# Altium PCB 5607-2.PcbDoc (part 4 of 6)
Units mm, origin at the board's own origin, x right, y up, seen from the top; angles counter-clockwise.
Board outline 240 x 160 mm, 2 copper layers (TopLayer, BottomLayer), stack 1.6 mm thick; 452 components, 319 nets, 1383 pads, 217 vias.
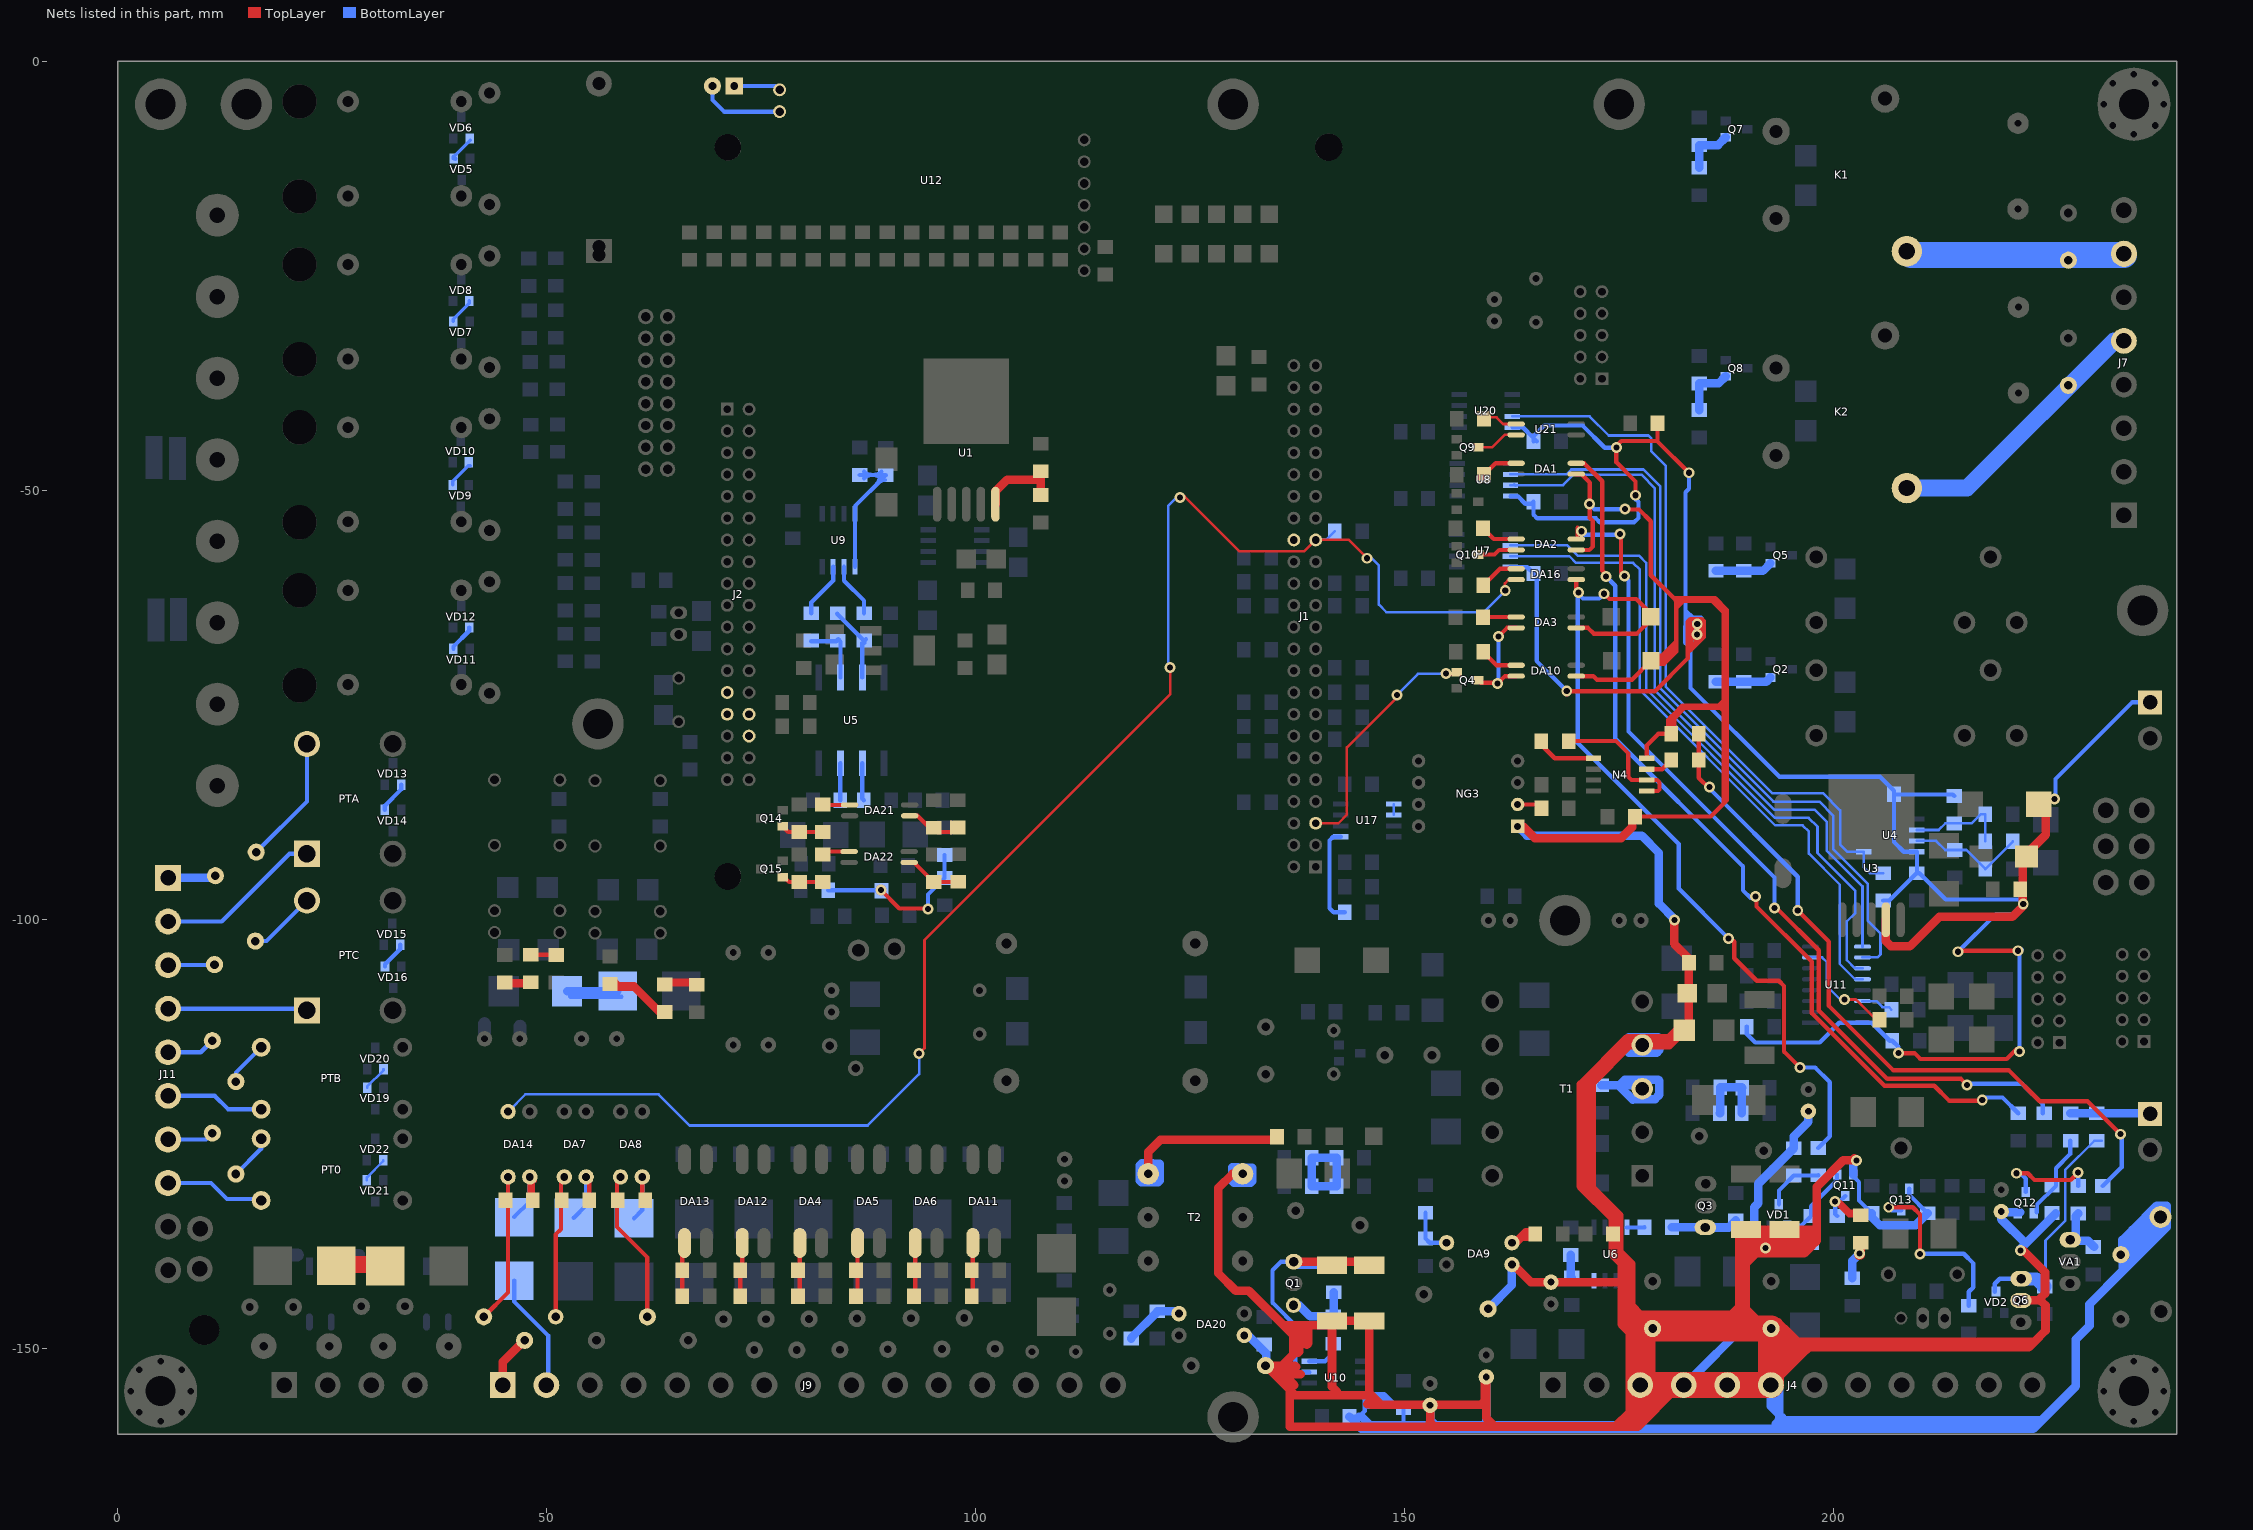
[diagram p4: the nets of this part, all layers, seen from the top]

## Via types
v1: diameter 1.27, hole 0.711, TopLayer to BottomLayer, 198 vias
v2: diameter 1, hole 0.5, TopLayer to BottomLayer, 11 vias
v3: diameter 1.2, hole 0.8, TopLayer to BottomLayer, 7 vias
v4: diameter 1.5, hole 0.8, TopLayer to BottomLayer, 1 vias

## Nets (pads, with @x,y where several pads share a name; then routed paths per layer and width w, separated by ;. In a path a pad name is that pad's centre, name@x,y a point inside that pad or via, vN(x,y) a via of type N, cw(c..) or ccw(c..) an arc to the next point about the centre after c; other vN are vias at no path point) (continued)
NetDA1_1: DA1.1 R1.1 | length 4.3
  TopLayer w0.5: R1.1@159.258,-48.184 160.604,-46.838 DA1.1@162.997,-46.838
NetDA1_4: DA1.4 R2.2 | length 105.8
  TopLayer w0.5: DA1.4@169.997,-46.838 170.917,-46.838 173.025,-48.946 173.025,-59.334 173.457,-59.766 v1(173.457,-60.02) ; v1(190.906,-97.358) 190.856,-97.358 191.008,-97.511 191.008,-98.501 197.46,-104.953 197.46,-110.947 205.918,-119.405 211.734,-119.405 213.462,-121.133 217.272,-121.133 217.322,-121.082 v1(217.322,-121.056)
  BottomLayer w0.5: v1(173.457,-60.02) 174.549,-61.112 174.549,-78.943 189.433,-93.828 189.433,-96.622 190.297,-97.485 190.779,-97.485 v1(190.906,-97.358) ; v1(217.322,-121.056) 217.615,-120.764 219.672,-120.764 R2.2@221.513,-122.606
NetDA2_1: DA2.1 R3.1 | length 4.4
  TopLayer w0.5: R3.1@159.131,-54.432 160.375,-55.677 DA2.1@162.997,-55.677
NetDA2_2: DA2.2 Q10.3 | length 4.6
  TopLayer w0.5: Q10.3@158.578,-57.48 160.477,-57.48 161.011,-56.947 DA2.2@162.997,-56.947
NetDA2_4: DA2.4 R4.2 | length 104
  TopLayer w0.5: DA2.4@169.997,-55.677 170.155,-55.519 v1@170.155,-54.356 ; v1@175.133,-55.296 175.133,-55.042 175.209,-54.966 175.209,-59.614 v1@175.743,-60.147 ; v1@192.761,-98.679 193.345,-98.679 198.26,-103.594 198.26,-110.616 206.236,-118.593 214.833,-118.593 v1(215.544,-119.304)
  BottomLayer w0.5: v1@170.586,-54.788 170.967,-55.169 v1@175.082,-55.169 ; v1(175.616,-59.995) 176.098,-60.477 176.098,-78.105 193.116,-95.123 v1(193.116,-98.679) ; v1@215.671,-119.456 215.951,-119.177 221.971,-119.177 224.384,-121.59 R4.2@224.384,-122.606
  other v1: 175.082,-55.093 170.612,-54.762
NetDA3_1: DA3.1 R5.1 | length 3.9
  TopLayer w0.5: R5.1@159.131,-64.77 159.141,-64.76 DA3.1@162.997,-64.76
NetDA4_1: DA4.1 R141.2 R143.1 | length 6.3
  TopLayer w0.5: R141.2@79.279,-143.916 79.507,-143.688 DA4.1@79.507,-137.722
NetDA5_1: DA5.1 R144.2 R146.1 | length 6.3
  TopLayer w0.5: R144.2@86.05,-143.916 86.228,-143.739 DA5.1@86.228,-137.722
NetDA6_1: DA6.1 R147.2 R149.1 | length 6.3
  TopLayer w0.5: R147.2@92.797,-143.916 92.949,-143.764 DA6.1@92.949,-137.722
NetDA7_1: DA7.1 R33.2 R41.1 | length 16.7
  TopLayer w0.5: R33.2@51.041,-146.323 51.041,-136.742 51.664,-136.119 51.664,-130.416 DA7.1@52.05,-130.029
NetDA7_2: DA7.2 R41.2 VD17.1 | length 8.2
  TopLayer w0.5: DA7.2@54.59,-130.029 54.952,-130.391 R41.2@54.952,-132.766
  BottomLayer w0.5: VD17.1@53.162,-134.781 54.59,-133.352 DA7.2@54.59,-130.029
NetDA8_1: DA8.1 R34.2 R42.2 | length 17.9
  TopLayer w0.5: DA8.1@58.604,-130.029 58.191,-130.441 58.191,-135.865 61.734,-139.407 R34.2@61.734,-146.323
NetDA8_2: DA8.2 R42.1 VD18.1 | length 8.1
  TopLayer w0.5: DA8.2@61.144,-130.029 61.144,-132.416 R42.1@61.493,-132.766
  BottomLayer w0.5: VD18.1@60.172,-134.857 61.144,-133.886 DA8.2@61.144,-130.029
NetDA9_1: DA9.1 R44.1 R88.2 | length 5.7
  BottomLayer w0.5: R44.1@152.425,-134.188 R88.2@152.425,-137.211 152.914,-137.699 DA9.1@154.883,-137.699
NetDA9_4: DA9.4 R71.2 | length 4.5
  TopLayer w1: DA9.4@162.503,-137.699 162.91,-137.699 163.639,-136.969 ; R71.2@164.833,-136.969 163.639,-136.969 ; R71.2@165.227,-136.677 165.049,-136.5 164.109,-136.5 163.639,-136.969
NetDA10_1: DA10.1 R23.2 | length 4.5
  TopLayer w0.5: R23.2@159.156,-68.834 160.705,-70.383 DA10.1@162.997,-70.383
NetDA11_1: DA11.1 R150.2 R152.1 | length 6.2
  TopLayer w0.5: R150.2@99.543,-143.916 99.67,-143.79 DA11.1@99.67,-137.722
NetDA12_1: DA12.1 R153.2 R155.1 | length 6.3
  TopLayer w0.5: R153.2@72.558,-143.916 R155.1@72.558,-140.894 72.786,-140.665 DA12.1@72.786,-137.722
NetDA13_1: DA13.1 R156.2 R158.1 | length 6.3
  TopLayer w0.5: R156.2@65.812,-143.916 R158.1@65.812,-140.894 65.812,-137.976 DA13.1@66.065,-137.722
NetDA14_1: DA14.1 R76.2 R77.1 | length 17.5
  TopLayer w0.5: R76.2@42.659,-146.323 45.497,-143.484 DA14.1@45.497,-130.029
NetDA14_2: DA14.2 R77.2 VD3.1 | length 10.7
  TopLayer w0.5: DA14.2@48.037,-130.029 48.037,-132.416 R77.2@48.387,-132.766 48.387,-130.683 DA14.2@48.59,-130.48
  BottomLayer w0.5: VD3.1@46.202,-134.705 48.037,-132.87 DA14.2@48.037,-130.029
NetDA16_1: DA16.1 R116.2 | length 4.6
  TopLayer w0.5: R116.2@159.156,-61.087 161.107,-59.136 DA16.1@162.997,-59.136
NetDA20_1: DA20.1 R131.1 R134.2 | length 7.3
  BottomLayer w1: R131.1@118.11,-148.869 118.11,-148.803 121.158,-145.755 R134.2@121.158,-145.669 123.585,-145.669 DA20.1@123.87,-145.954
NetDA21_1: DA21.1 R159.1 R163.2 | length 6.4
  TopLayer w0.5: DA21.1@92.298,-87.935 93.218,-87.935 95.098,-89.814 97.892,-89.814 R159.1@97.917,-89.789
NetDA21_3: DA21.3 R164.1 | length 3.1
  TopLayer w0.5: R164.1@82.194,-86.614 82.245,-86.665 DA21.3@85.298,-86.665
NetDA22_1: DA22.1 R169.1 R172.2 | length 6.7
  TopLayer w0.5: DA22.1@92.248,-93.37 92.812,-93.37 R172.2@95.098,-95.656 97.917,-95.656 R169.1@97.942,-95.631
NetDA22_3: DA22.3 R173.1 | length 3
  TopLayer w0.5: R173.1@82.347,-92.456 82.703,-92.1 DA22.3@85.248,-92.1
NetJ7_5: J7.5 K2.1 R102.2 | length 32.4
  BottomLayer w2: K2.1@208.534,-49.733 215.544,-49.733 232.689,-32.588 J7.5@233.832,-32.588
NetJ7_7: J7.7 K1.1 R101.2 | length 25.5
  BottomLayer w3: K1.1@208.534,-22.123 208.991,-22.581 J7.7@233.832,-22.581
NetJX1_1: JX1.1 R18.2 R25.2 | length 9.3
  BottomLayer w1: R18.2@227.559,-122.606 232.283,-122.606 236.822,-122.606 JX1.1@236.88,-122.665
NetLED1_A: LED1.A R7.1 | length 5.2
  TopLayer w1: v1@202.908,-139.205 v1@202.972,-139.141 ; v1(203.022,-138.963) 203.022,-139.091 v1@202.972,-139.141 ; LED1.A@203.175,-137.694 203.175,-139.141 v1@202.972,-139.141
  BottomLayer w1: R7.1@202.184,-141.834 202.184,-139.802 v1(203.022,-138.963)
NetLED1_K: LED1.K Q11.3 R8.1 | length 11.6
  TopLayer w0.5: 202.082,-134.494 201.779,-134.494 v1(200.177,-132.893) 200.711,-132.893 201.879,-134.061 202.082,-134.061 ; 202.082,-134.494 LED1.K@202.515,-134.494 ; 202.082,-134.494 202.082,-134.061 ; 202.082,-134.061 LED1.K@202.515,-134.494 ; 202.082,-134.061 202.742,-134.061 LED1.K@203.175,-134.494 LED1.K@202.515,-134.494
  BottomLayer w0.5: R8.1@200.406,-134.569 200.177,-134.341 v1(200.177,-132.893) 200.691,-132.893 Q11.3@201.346,-132.238
NetN4_1: N4.1 N4.2 R46.1 | length 16.6
  TopLayer w0.5: R46.1@169.113,-79.223 174.625,-79.223 176.073,-80.67 176.073,-83.414 176.428,-83.769 N4.2@178.208,-83.769 179.4,-83.769 179.705,-84.074 179.705,-84.861 179.527,-85.039 N4.1@178.208,-85.039
NetN4_3: N4.3 R15.1 | length 3.3
  TopLayer w0.5: N4.3@178.208,-82.499 180.01,-82.499 R15.1@181.077,-81.432
NetN4_5: N4.5 R46.2 | length 7.2
  TopLayer w0.5: R46.2@165.913,-79.223 165.913,-79.655 167.488,-81.229 N4.5@172.008,-81.229
NetNG3_2: NG3.2 R11.1 | length 3
  TopLayer w0.5: NG3.2@163.17,-86.614 165.481,-86.614 R11.1@165.938,-87.071
NetPT0_2: PT0.2 R120.2 | length 5.5
  BottomLayer w0.5: R120.2@13.774,-129.68 16.713,-126.741 PT0.2@16.713,-125.566 PT0.2@16.61,-125.463
NetPTA_2: PTA.2 R117.2 | length 15.1
  BottomLayer w0.5: R117.2@16.142,-92.17 22.055,-86.257 PTA.2@22.055,-79.553
NetPTB_2: PTB.2 R119.2 | length 5.2
  BottomLayer w0.5: R119.2@13.774,-118.911 13.774,-117.863 PTB.2@16.713,-114.923
NetPTC_2: PTC.2 R118.2 | length 8
  BottomLayer w0.5: R118.2@16.041,-102.533 17.337,-102.533 PTC.2@22.055,-97.815
NetQ1_1: Q1.1 R133.1 R136.2 | length 8
  BottomLayer w1: Q1.1@137.043,-145.009 137.719,-145.009 138.989,-146.279 141.656,-146.279 R133.1@141.681,-146.253 141.732,-146.203 R136.2@141.732,-143.459
NetQ1_3: Q1.3 R136.1 R139'.2 R139.2 U10.3 | length 31.4
  TopLayer w1: Q1.3@137.073,-139.929 145.48,-139.929 R139'.2@145.872,-140.321
  BottomLayer w0.5: Q1.3@137.073,-139.903 135.585,-139.903 134.595,-140.894 134.595,-144.678 137.643,-147.726 137.643,-150.317 137.236,-150.724 137.236,-152.349 137.668,-152.781 U10.3@138.886,-152.781
  BottomLayer w1: Q1.3@137.073,-139.929 137.404,-140.259 R136.1@141.732,-140.259
NetQ2_1: Q2.1 R137.2 R138.2 | length 6.6
  BottomLayer w1: R137.2@186.284,-72.314 R138.2@189.535,-72.314 192.131,-72.314 Q2.1@192.628,-71.816
NetQ3_1: Q3.1 R61.2 R79.1 | length 7.8
  BottomLayer w1: R79.1@181.153,-135.89 185.024,-135.89 Q3.1@185.049,-135.915 187.782,-135.915 R61.2@188.595,-135.102
NetQ5_1: Q5.1 R89.2 R93.2 | length 6.7
  BottomLayer w1: R93.2@186.284,-59.385 R89.2@189.535,-59.385 191.75,-59.385 Q5.1@192.628,-58.506
NetQ6_1: Q6.1 R25.1 R28.2 VD2.3 | length 27.6
  BottomLayer w0.3: R28.2@224.688,-142.564 224.688,-137.438 226.974,-135.152 226.974,-129.235 230.404,-125.806 R25.1@230.683,-125.806 R25.1@231.242,-125.806
  BottomLayer w0.5: VD2.3@218.77,-143.403 218.77,-142.469 219.354,-141.884 Q6.1@221.859,-141.884
  BottomLayer w1.5: Q6.1@221.859,-141.884 221.916,-141.942 223.63,-141.942 224.487,-142.799 R28.2@224.587,-142.799 ; R28.2@224.417,-142.799 R28.2@224.663,-142.799
NetQ7_1: Q7.1 R85.2 R86.2 | length 6.1
  BottomLayer w1: R85.2@184.328,-12.395 R86.2@184.328,-9.753 186.517,-9.753 Q7.1@187.421,-8.849
NetQ8_1: Q8.1 R87.2 R95.2 | length 6.5
  BottomLayer w1: R95.2@184.328,-40.64 R87.2@184.328,-37.541 186.593,-37.541 Q8.1@187.421,-36.713
NetQ9_3: Q9.3 U21.2 | length 5
  TopLayer w0.3: Q9.3@158.578,-44.983 160.198,-44.983 161.646,-43.536 U21.2@162.997,-43.536
NetQ11_1: Q11.1 R10.1 VD1.1 | length 9.4
  BottomLayer w0.5: VD1.1@194.574,-135.692 196.261,-135.692 R10.1@197.383,-134.569 197.383,-133.426 200.396,-130.414 Q11.1@200.396,-129.738
NetQ12_1: Q12.1 R18.1 R22.2 | length 10
  BottomLayer w0.5: Q12.1@223.657,-134.143 223.657,-133.315 225.908,-131.064 225.908,-129.006 227.559,-127.355 R18.1@227.559,-125.806
NetQ12_3: Q12.3 R16.1 | length 12.6
  TopLayer w0.5: v1(221.31,-129.591) 222.631,-129.591 223.418,-130.378 227.635,-130.378 v1@228.511,-129.502
  BottomLayer w0.5: v1(221.31,-129.591) 221.756,-129.591 222.391,-130.226 Q12.3@222.391,-131.77 ; R16.1@228.498,-131.09 v1(228.498,-129.489) v1@228.498,-129.311
NetQ13_3: Q13.3 R20.2 | length 22.2
  TopLayer w0.5: v1(206.426,-133.553) 209.22,-133.553 210.058,-134.391 v1(210.058,-138.989) v1@210.21,-139.141
  BottomLayer w0.5: v1(206.426,-133.553) 206.787,-133.914 Q13.3@207.874,-133.914 ; v1(210.058,-138.989) 215.163,-138.989 216.281,-140.106 216.281,-142.875 215.748,-143.408 R20.2@215.748,-145.034
NetQ14_1: Q14.1 R164.2 R166.2 | length 5
  TopLayer w0.5: Q14.1@77.501,-89.164 78.151,-89.814 R166.2@79.451,-89.814 R164.2@82.194,-89.814
NetQ15_1: Q15.1 R173.2 R174.2 | length 5.1
  TopLayer w0.5: Q15.1@77.526,-95.082 77.683,-95.082 78.257,-95.656 R173.2@82.347,-95.656
NetR9_1: R9.1 R13.1 VD1.3 | length 6.9
  BottomLayer w0.5: VD1.3@193.624,-133.192 193.624,-131.597 R13.1@195.351,-129.87 198.171,-129.87 R9.1@198.196,-129.845
NetR14_1: R14.1 R16.2 VA1.1 | length 5.8
  BottomLayer w1: R16.2@228.498,-134.29 228.194,-134.594 228.194,-137.465 229.641,-137.465 230.2,-138.024 R14.1@230.353,-138.176
NetR15_2: R15.2 R27.1 R47.2 | length 85.7
  TopLayer w0.5: R47.2@184.277,-78.384 R15.2@184.277,-81.432 184.277,-83.515 185.522,-84.76 v1(185.522,-84.557) ; v1(195.809,-98.984) 199.441,-102.616 199.441,-110.084 206.959,-117.602 220.421,-117.602 224.028,-121.209 229.591,-121.209 v1(233.426,-125.044)
  BottomLayer w0.5: v1(185.522,-84.557) 185.522,-84.76 195.809,-95.047 v1(195.809,-98.984) ; R27.1@231.369,-131.09 233.578,-128.88 233.578,-125.044 v1(233.426,-125.044)
NetR32_2: R32.2 R55.1 U9.1 U9.8 | length 21.1
  BottomLayer w0.5: U9.1@85.928,-58.904 U9.8@85.928,-52.704 85.928,-51.841 R32.2@89.305,-48.465 ; R55.1@86.487,-48.209 89.485,-48.209 R32.2@89.51,-48.234 ; R55.1@86.976,-48.598 cw(c87.915,-49.537) 87.915,-48.209 cw(c87.915,-46.881) R55.1@86.976,-47.82 ; 88.021,-48.209 cw(c88.021,-49.622) R32.2@89.021,-48.623 ; 88.142,-48.209 ccw(c88.142,-46.967) R32.2@89.021,-47.845 ; 88.382,-49.388 ccw(c87.228,-48.234) R32.2@88.86,-48.234 ; 88.686,-49.084 cw(c89.41,-49.808) R32.2@89.41,-48.784
NetR48_1: R48.1 U17.5 | length 11.4
  BottomLayer w0.5: U17.5@142.544,-90.373 141.681,-90.373 141.249,-90.805 141.249,-98.704 141.732,-99.187 R48.1@143.027,-99.187
NetR50_2: R50.2 R51.2 U1.5 | length 10.1
  TopLayer w1: U1.5@102.308,-51.613 102.308,-50.118 103.683,-48.743 107.594,-48.743 ; R50.2@107.594,-50.546 107.594,-48.743 ; R51.2@107.594,-47.777 107.594,-48.743
NetR52_2: R52.2 R54.1 R57.1 R58.1 | length 18.9
  TopLayer w0.5: v1(88.951,-96.596) 91.085,-98.73 v1@94.005,-98.73
  BottomLayer w0.5: R58.1@82.804,-96.596 v1(88.951,-96.596) R54.1@89.027,-96.672 ; v1@94.437,-98.4 94.437,-97.104 R57.1@96.368,-95.174 R52.2@96.368,-92.507
  other v1: 94.437,-98.781
NetR56_2: R56.2 U5.2 | length 4.4
  BottomLayer w0.5: U5.2@86.792,-81.81 86.792,-85.953 R56.2@86.944,-86.106
NetR59_1: R59.1 R64.1 U5.7 | length 9.3
  BottomLayer w0.5: R59.1@83.85,-64.393 R64.1@87.02,-67.564 ; U5.7@86.792,-71.81 86.792,-67.793 R64.1@87.02,-67.564 ; R64.1@87.02,-67.793 R64.1@87.02,-67.564 ; R64.1@87.224,-67.361 R64.1@87.02,-67.564
NetR59_2: R59.2 R78.1 U5.6 | length 7.8
  BottomLayer w0.5: R78.1@80.823,-67.589 83.744,-67.589 83.972,-67.361 84.252,-67.64 U5.6@84.252,-71.81
NetR64_2: R64.2 U9.2 | length 6.4
  BottomLayer w0.5: U9.2@84.658,-58.904 84.658,-60.528 86.987,-62.857 R64.2@86.987,-64.313
NetR66_1: R66.1 R67.1 R68.2 R69.2 | length 8.6
  BottomLayer w1: R67.1@186.741,-122.606 186.766,-122.58 R66.1@186.766,-119.583 189.281,-119.583 R68.2@189.332,-119.634 189.281,-119.685 R69.2@189.281,-122.606
NetR70_2: R70.2 T1.3 | length 17.2
  BottomLayer w1: R70.2@172.898,-119.355 175.006,-119.355 ; T1.3@177.698,-119.736 177.318,-119.355 175.108,-119.355 ; 175.006,-119.355 175.666,-118.694 179.553,-118.694 179.68,-118.821 179.68,-120.447 179.172,-120.955 176.682,-120.955 176.606,-121.031 175.108,-119.532 175.108,-119.355 ; 175.006,-119.355 175.108,-119.355
NetR73_2: R73.2 U5.3 | length 4.3
  BottomLayer w0.5: R73.2@84.226,-86.106 84.226,-81.835 U5.3@84.252,-81.81
NetR78_2: R78.2 U9.3 | length 6.5
  BottomLayer w0.5: R78.2@80.823,-64.313 80.823,-63.068 83.388,-60.503 U9.3@83.388,-58.904
NetR79_2: R79.2 U6.4 | length 2.1
  BottomLayer w0.5: U6.4@175.895,-135.914 177.928,-135.914 R79.2@177.953,-135.89
NetR82_1: R82.1 U21.1 | length 4.1
  TopLayer w0.3: R82.1@159.258,-41.631 159.385,-41.504 160.706,-41.504 161.468,-42.266 U21.1@162.997,-42.266
NetR98_1: R98.1 R99.2 R100.2 U4.6 | length 11.9
  BottomLayer w0.3: U4.6@209.704,-89.586 212.242,-89.586 213.004,-88.824 216.052,-88.824 217.119,-87.757 R99.2@217.678,-87.757 R100.2@217.678,-90.881
NetR100_1: R100.1 R104.2 R106.2 U4.7 | length 13.9
  BottomLayer w0.3: U4.7@209.704,-90.856 211.938,-90.856 213.005,-91.923 R106.2@214.097,-91.923 215.469,-91.923 R104.2@217.678,-94.132 220.878,-90.932 R100.1@220.878,-90.881
NetR124_2: R124.2 T2.4 | length 32
  TopLayer w1: T2.4@120.103,-129.667 120.103,-127.115 121.514,-125.705 134.747,-125.705 R124.2@135.128,-125.324
  BottomLayer w1: T2.4@119.253,-129.921 T2.4@119.151,-129.819 ; T2.4@119.151,-129.819 119.951,-129.819 T2.4@120.103,-129.667 121.31,-129.667 121.437,-129.794 121.437,-129.235 120.625,-128.422 119.863,-128.422 ; T2.4@119.151,-129.819 119.151,-130.454 119.329,-130.632 121.285,-130.632 121.463,-130.454 121.463,-128.473 119.913,-128.473 119.863,-128.422 ; T2.4@119.151,-129.819 119.151,-128.651 119.38,-128.422 119.863,-128.422
NetR126_1: R126.1 R127.1 R128.2 R129.2 | length 12.4
  BottomLayer w1: R127.1@139.166,-131.089 R126.1@139.166,-127.787 R129.2@142.062,-127.787 R128.2@142.062,-131.089 R127.1@139.166,-131.089
NetR133_2: R133.2 U10.4 | length 4.3
  BottomLayer w0.5: U10.4@138.886,-151.511 140.716,-151.511 141.554,-150.673 141.554,-149.58 R133.2@141.681,-149.453
NetR161_1: R161.1 R162.2 | length 3
  TopLayer w0.5: R162.2@48.133,-104.14 50.952,-104.14 R161.1@51.105,-104.293
NetR162_1: R162.1 R165.2 | length 3.1
  TopLayer w1: R165.2@45.085,-107.391 45.136,-107.442 R162.1@48.133,-107.442
NetR168_1: R168.1 R170.2 | length 7.6
  TopLayer w0.5: R168.1@67.158,-107.315 67.005,-107.163 63.754,-107.163 R170.2@63.754,-107.595 67.463,-107.595 R168.1@67.488,-107.62
NetR170_1: R170.1 R171.2 | length 18.6
  TopLayer w0.5: R171.2@57.328,-107.848 57.594,-108.115 60.134,-108.115 ; R171.2@57.988,-107.112 58.42,-107.543 ; R170.1@63.246,-111.15 63.17,-111.15 60.134,-108.115 ; R170.1@63.754,-110.795 63.5,-110.795 60.249,-107.543 58.42,-107.543 ; 58.42,-107.543 R171.2@57.379,-107.543 57.379,-107.594 57.556,-107.772 59.792,-107.772 60.134,-108.115
NetTX_1: TX.1 U12.8 | length 5.5
  BottomLayer w0.5: TX.1@71.857,-2.87 76.696,-2.87 U12.8@77.144,-3.319
NetTX_2: TX.2 U12.9 | length 10
  BottomLayer w0.5: TX.2@69.317,-2.87 69.317,-4.496 70.68,-5.859 U12.9@77.144,-5.859
NetU17_1: U17.1 U17.2 | length 1.3
  BottomLayer w0.3: U17.2@148.744,-87.833 U17.1@148.744,-86.563
NetVD4_1: VD4.1 VD24.1 | length 11.8
  BottomLayer w0.5: VD24.1@52.755,-108.991 52.781,-109.017 VD4.1@58.708,-109.017
  BottomLayer w1: VD24.1@52.392,-108.382 58.2,-108.382 VD4.1@58.225,-108.357
NetVD5_1: VD5.1 VD6.1 | length 3.2
  BottomLayer w0.2: VD5.1@39.106,-11.323 VD5.1@39.106,-11.274
  BottomLayer w0.4: VD5.1@39.157,-11.11 VD6.1@41.072,-9.195
  BottomLayer w0.5: VD5.1@39.157,-11.11 VD5.1@39.157,-11.323 VD5.1@39.345,-11.354
NetVD7_1: VD7.1 VD8.1 | length 3.2
  BottomLayer w0.4: VD7.1@39.106,-30.322 39.106,-30.058 40.98,-28.184 VD8.1@40.98,-27.92
NetVD9_1: VD9.1 VD10.1 | length 3.2
  BottomLayer w0.4: VD9.1@39.03,-49.372 39.03,-48.956 40.869,-47.117 VD10.1@41.097,-47.117
NetVD11_1: VD11.1 VD12.1 | length 3.2
  BottomLayer w0.5: VD11.1@39.131,-68.473 39.131,-68.209 40.98,-66.36 VD12.1@40.98,-65.995
NetVD13_1: VD13.1 VD14.1 | length 3.7
  BottomLayer w0.5: VD14.1@31.13,-87.244 31.13,-86.777 33.03,-84.877 VD13.1@33.03,-84.308
NetVD15_1: VD15.1 VD16.1 | length 3.3
  BottomLayer w0.5: VD16.1@31.156,-105.506 31.156,-105.246 32.929,-103.473 VD15.1@32.929,-102.977
NetVD19_1: VD19.1 VD20.1 | length 2.9
  BottomLayer w0.3: VD19.1@29.073,-119.629 29.073,-119.5 30.973,-117.6 VD20.1@30.973,-117.48
NetVD21_1: VD21.1 VD22.1 | length 3.1
  BottomLayer w0.3: VD21.1@29.047,-130.398 29.047,-130.091 30.947,-128.191 VD22.1@30.947,-128.072
NetVD25_1: VD25.1 VD27.1 | length 6.9
  TopLayer w0.5: VD25.1@25.392,-140.183 VD25.1@25.442,-140.233
  TopLayer w2: VD25.1@25.442,-140.233 VD27.1@32.266,-140.233
OUT5V: C1.2 C12.1 C42.2 C45.2 C58.2 C67.2 C68.1 C72.2 COX2.1 L5.2 R83.2 R97.1 R98.2 R105.1 U3.4 U4.8 U7.8 U8.8 U11.16 U20.8 | length 349.6
  TopLayer w0.5: v1(168.885,-73.381) 168.885,-73.787 169.24,-73.431 179.146,-73.431 182.982,-69.596 182.982,-68.961 ; v1@176.911,-50.673 176.911,-48.959 174.663,-46.711 174.663,-44.818 175.235,-44.247 179.426,-44.247 179.476,-44.196 ; R83.2@179.476,-42.164 179.476,-44.297 v1(183.134,-47.955) ; 183.54,-67.92 183.566,-67.92 183.617,-67.869 183.642,-67.869 183.667,-67.894 184.099,-67.462 v1@184.099,-66.777 ; v1(207.543,-115.595) 209.423,-115.595 210.109,-116.281 220.167,-116.281 221.31,-115.138 221.412,-115.138 v1(221.666,-115.392) ; v1(214.503,-103.784) 214.427,-103.784 214.3,-103.657 v1(221.488,-103.657) ; v1@225.755,-86.258 v1(225.755,-85.954) ; 182.982,-68.961 182.982,-67.894 ; 182.982,-68.961 183.515,-68.428 ; 182.982,-67.894 182.982,-66.904 ; 182.982,-67.894 183.286,-67.589 ; 182.982,-66.904 182.982,-66.675 ; 182.982,-66.904 183.286,-66.904 ; 182.982,-66.675 182.982,-65.303 183.286,-64.999 ; 182.982,-66.675 183.286,-66.37 ; 183.286,-67.589 183.286,-68.199 183.515,-68.428 ; 183.286,-67.589 183.286,-66.904 ; 183.286,-67.589 183.388,-67.488 ; 183.286,-66.904 183.388,-66.904 ; 183.286,-66.904 183.286,-66.37 ; 183.286,-66.37 183.388,-66.269 ; 183.286,-66.37 183.286,-64.999 ; 183.286,-64.999 184.633,-64.999 184.861,-65.227 184.861,-66.015 ; 183.388,-67.488 183.388,-66.904 ; 183.388,-67.488 v1@183.972,-66.904 ; 183.388,-66.904 v1@183.972,-66.904 ; 183.388,-66.904 183.388,-66.269 ; 183.388,-66.269 v1@184.074,-65.583 ; 183.515,-68.428 184.861,-67.081 184.861,-66.015 ; v1@183.972,-66.904 v1(184.074,-66.802) ; v1(184.074,-66.802) v1@184.074,-65.583 ; v1(184.074,-66.802) v1@184.099,-66.777 ; v1@184.074,-65.583 v1(184.099,-65.557) v1@184.099,-66.777 ; v1@184.099,-66.777 184.861,-66.015